# Altium PCB MB1936.PcbDoc (part 7 of 13)
Units mm, origin at the board's own origin, x right, y up, seen from the top; angles counter-clockwise.
Board outline 172 x 137 mm, 6 copper layers (Top Layer, Signal Layer 1, Signal Layer 2, Signal Layer 3, Signal Layer 4, Bottom Layer), stack 1.549 mm thick; 859 components, 672 nets, 3477 pads, 2222 vias.
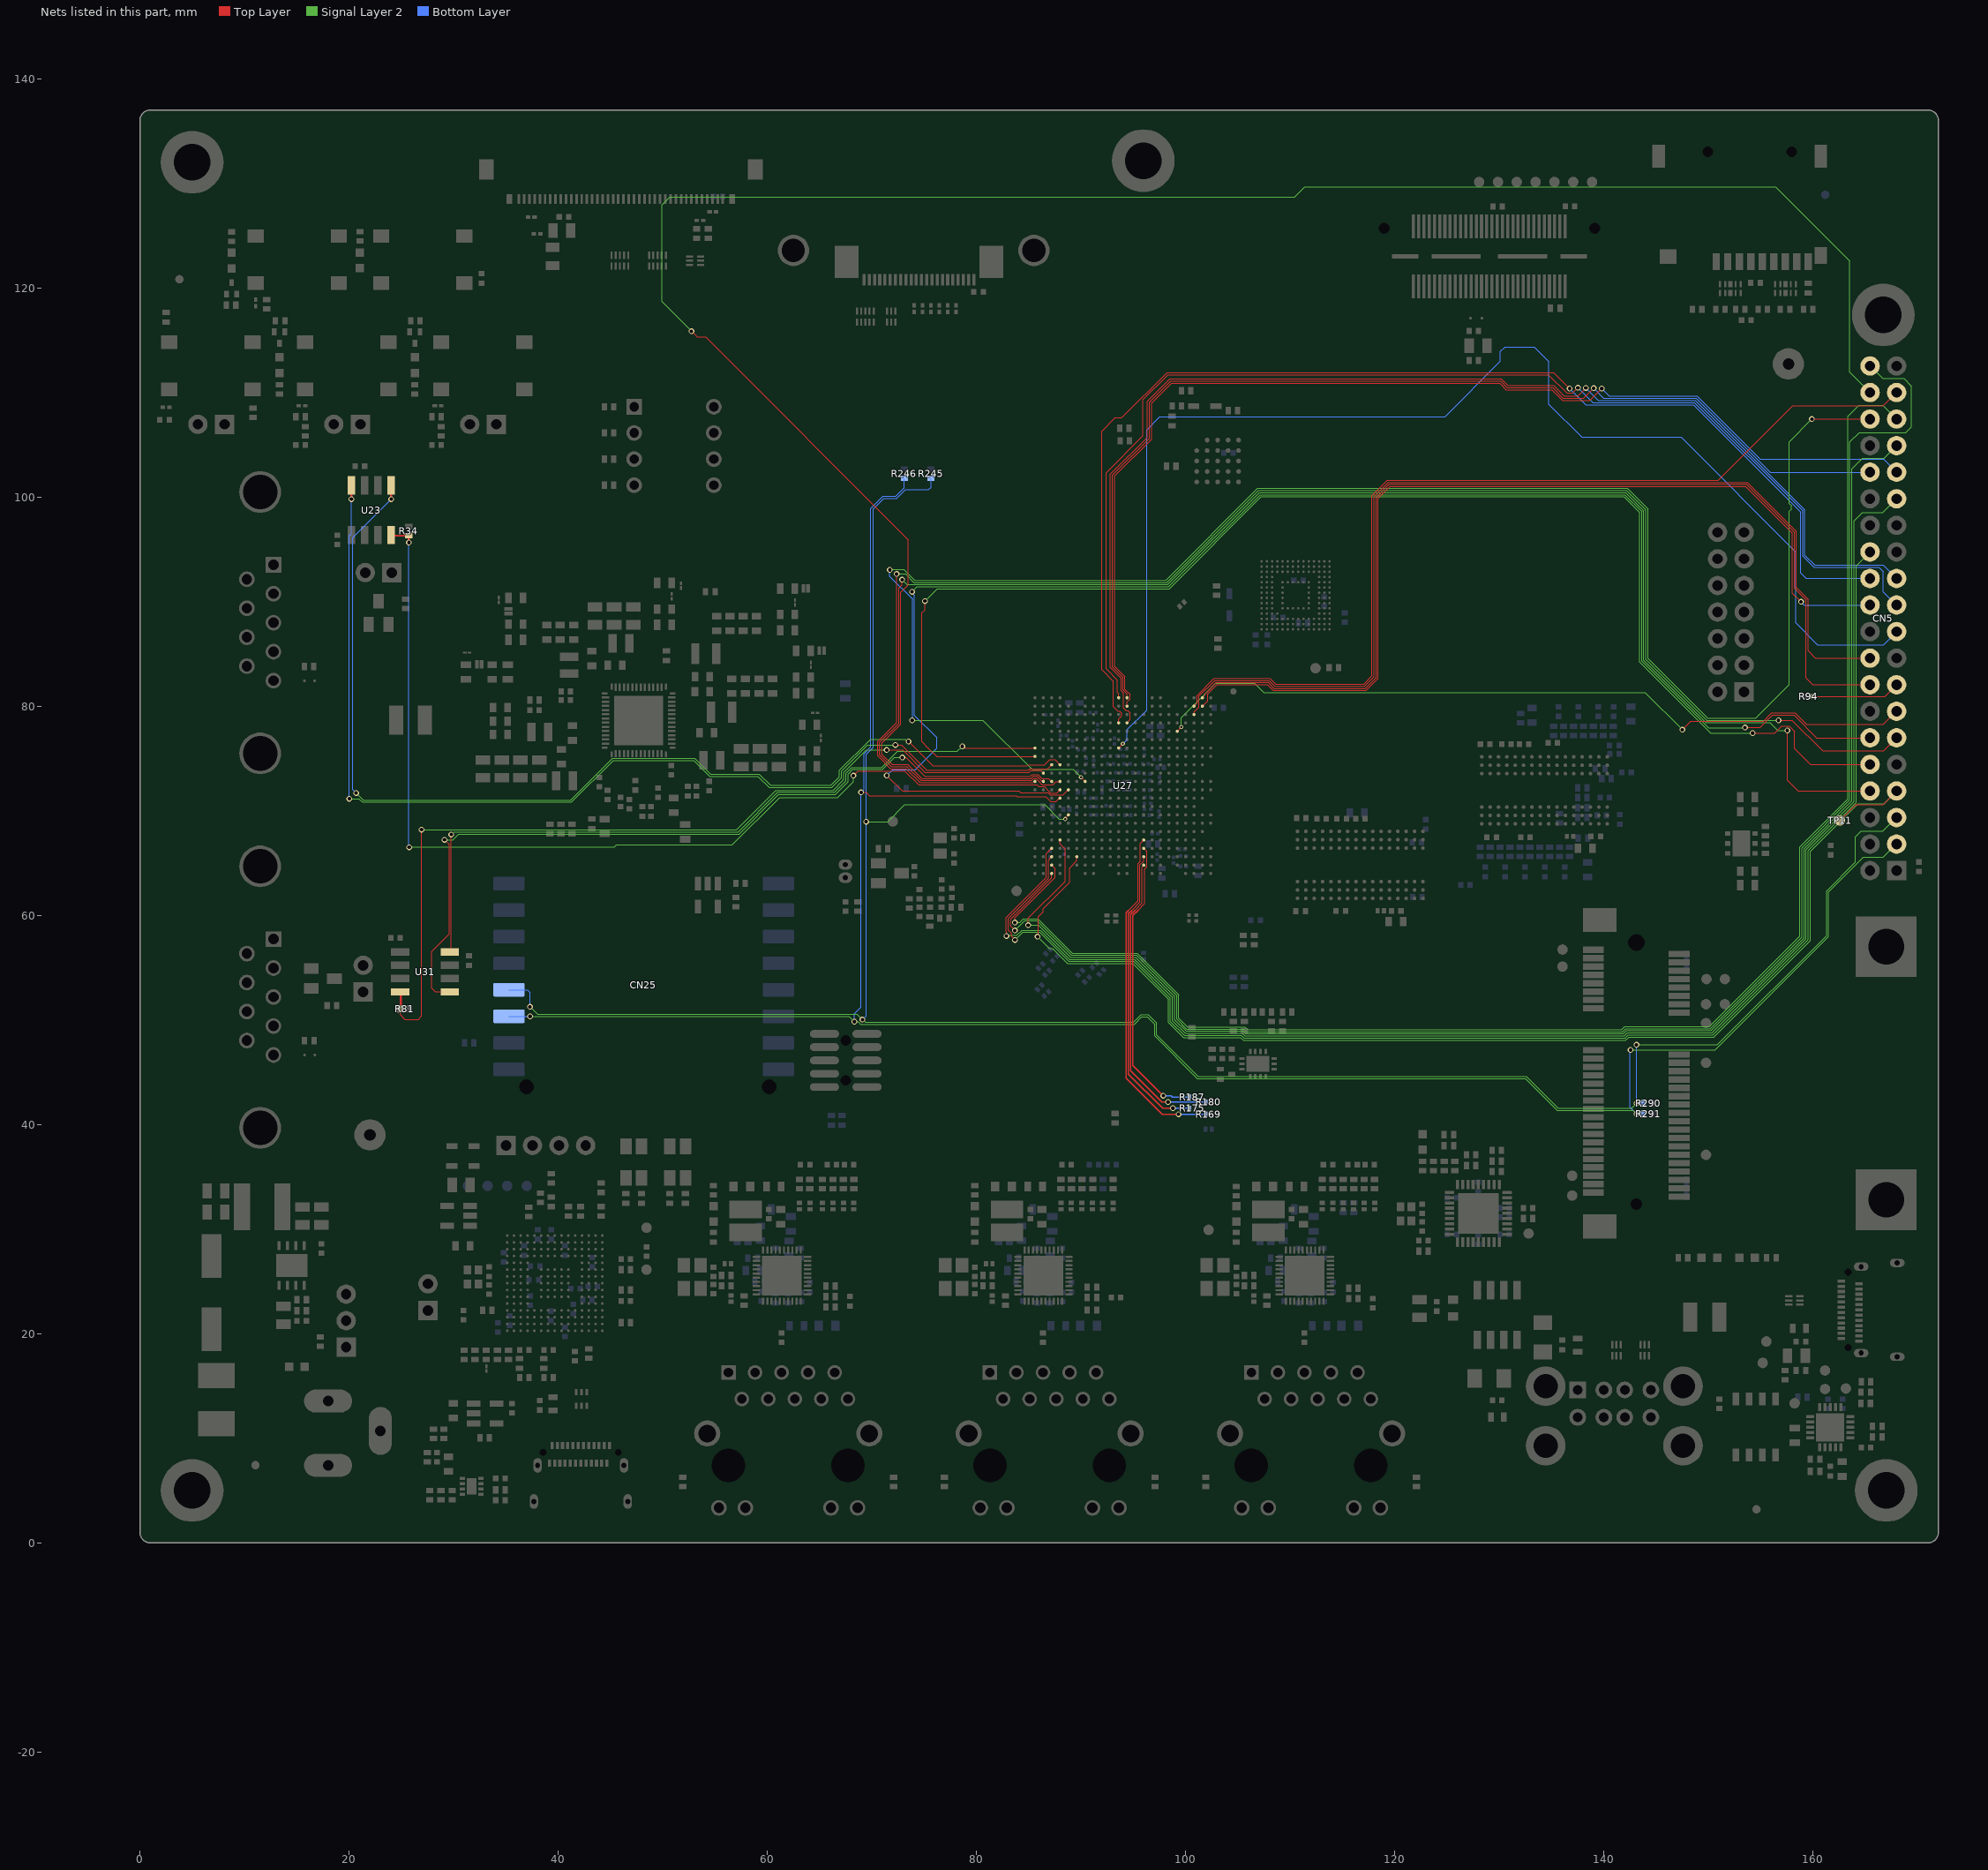
[diagram p11: the nets of this part, all layers, seen from the top]

## Via types
v1: diameter 0.55, hole 0.35, Top Layer to Bottom Layer, 1661 vias
v2: diameter 0.4, hole 0.2, Top Layer to Bottom Layer, tented both sides, 253 vias
v3: diameter 0.5, hole 0.2, Top Layer to Bottom Layer, 157 vias
v4: diameter 0.5, hole 0.25, Top Layer to Bottom Layer, 145 vias
v5: diameter 0.4, hole 0.2, Top Layer to Bottom Layer, 6 vias

## Nets (pads, with @x,y where several pads share a name; then routed paths per layer and width w, separated by ;. In a path a pad name is that pad's centre, name@x,y a point inside that pad or via, vN(x,y) a via of type N, cw(c..) or ccw(c..) an arc to the next point about the centre after c; other vN are vias at no path point) (continued)
ETH3.TXD0: R169.1 U27.V14 | length 32.4
  Top Layer w0.09: 94.547,60.475 95.455,61.383 95.455,64.913 95.675,65.133 95.675,66.875 U27.V14@96,67.2
  Top Layer w0.11: 94.547,60.475 94.335,60.263 94.335,44.44 97.789,40.986 v1(99.321,40.986)
  Bottom Layer w0.11: v1(99.321,40.986) 99.331,40.975 R169.1@101.9,40.975
ETH3.TXD1: R175.1 U27.Y14 | length 28.6
  Top Layer w0.09: 94.844,60.475 95.635,61.266 95.635,64.838 96,65.203 U27.Y14@96,65.6
  Top Layer w0.11: 94.844,60.475 94.545,60.176 94.545,44.805 97.797,41.553 v1(98.792,41.553)
  Bottom Layer w0.11: v1(98.792,41.553) 98.794,41.55 R175.1@100.35,41.55
ETH3.TXD2: R180.1 U27.AA14 | length 28.6
  Top Layer w0.09: 95.141,60.475 95.833,61.167 95.833,64.576 96,64.743 U27.AA14@96,64.8
  Top Layer w0.11: 95.141,60.475 94.755,60.089 94.755,45.145 97.753,42.147 v1(98.322,42.147)
  Bottom Layer w0.11: v1(98.322,42.147) 98.325,42.15 R180.1@101.9,42.15
ETH3.TXD3: R187.1 U27.W14 | length 28.1
  Top Layer w0.09: 95.438,60.475 96.081,61.118 96.081,64.406 96.295,64.62 96.295,66.105 U27.W14@96,66.4
  Top Layer w0.11: 95.438,60.475 94.965,60.002 94.965,45.66 v1(97.875,42.75)
  Bottom Layer w0.11: v1(97.875,42.75) 98.6,42.75 98.725,42.625 R187.1@100.35,42.625
EXP_GPIO2: CN5.3 CN25.11 R246.1 R291.2 U27.N4 | length 230.2
  Top Layer w0.09: 81.172,71.44 83.822,71.44 83.907,71.355 85.276,71.355 85.425,71.355 86.626,71.355 87.106,70.875 87.625,70.875 87.95,71.2 U27.N4@88,71.2
  Top Layer w0.1: v1(68.975,71.75) 69.465,71.75 69.775,71.44 81.172,71.44
  Signal Layer 2 w0.1: v1(37.31,50.335) 67.815,50.335 v1(68.325,49.825) ; v1@68.378,49.878 68.423,49.833 68.691,49.833 68.936,49.588 95.108,49.588 95.795,50.275 96.351,50.275 97.044,49.582 97.044,48.481 101.125,44.4 132.5,44.4 135.55,41.35 142.775,41.35 v1(143.125,41) ; v1(142.55,47.125) 150.65,47.125 161.5,57.975 161.5,62.225 164.825,65.55 166.735,65.55 CN5.3@167.995,66.81
  Bottom Layer w0.1: CN25.11@35.295,50.34 v1@37.305,50.34 ; v1(68.325,49.825) 68.325,50.575 68.975,51.225 v1(68.975,71.75) 69.25,72.025 69.25,75.458 69.9,76.108 69.9,98.908 71.057,100.065 72.29,100.065 73.109,100.884 R246.1@73.109,101.775 ; v1(142.55,47.125) 142.5,47.075 142.5,41.625 v1(143.125,41) R291.2@143.8,41
EXP_GPIO3: CN5.5 CN25.12 R245.1 R290.2 U27.R5 | length 236.1
  Top Layer w0.09: v2(88.496,69.205) 88.496,69.25 88.8,69.555 U27.R5@88.8,69.6
  Signal Layer 2 w0.1: v1(37.3,51.25) 38.015,50.535 68.59,50.535 v1(69.1,50.025) ; v1@69.145,50.025 69.382,49.788 95.026,49.788 95.752,50.514 96.421,50.514 97.244,49.692 97.244,48.564 101.208,44.6 132.583,44.6 135.608,41.575 142.675,41.575 v1(143.125,42.025) ; v1(69.45,68.95) 71.525,68.95 73.15,70.575 86.55,70.575 87.92,69.205 v2(88.496,69.205) ; v1(143.125,47.625) 150.867,47.625 161.3,58.058 161.3,62.308 164.075,65.083 164.075,67.5 164.625,68.05 166.695,68.05 CN5.5@167.995,69.35
  Bottom Layer w0.1: CN25.12@35.295,52.88 37.045,52.88 37.3,52.625 v1(37.3,51.25) ; v1(69.1,50.025) 69.45,50.375 v1(69.45,68.95) 69.45,75.375 70.125,76.05 70.125,83.151 70.132,83.158 70.132,98.857 71.14,99.865 72.373,99.865 73.208,100.7 75.428,100.7 75.649,100.921 R245.1@75.649,101.775 ; v1(143.125,47.625) v1(143.125,42.025) R290.2@143.8,42.025
EXP_GPIO4: CN5.7 TP11.1 U27.Y6 | length 118.2
  Top Layer w0.1: v1(85.85,57.95) 85.9,58 85.9,59.85 86.39,60.34 86.39,60.627 88.912,63.149 88.912,64.522 89.6,65.21 U27.Y6@89.6,65.6 ; TP11.1@162.575,69.075 164.1,70.6 166.705,70.6 CN5.7@167.995,71.89
  Signal Layer 2 w0.1: v1(85.85,57.95) 86.971,56.829 87.278,56.829 88.72,55.387 94.95,55.387 98.356,51.981 98.356,49.755 99.786,48.325 105.262,48.325 105.537,48.05 142.092,48.05 142.405,48.362 150.513,48.362 159.75,57.6 159.75,66.125 164.303,70.678 166.783,70.678 CN5.7@167.995,71.89
EXP_GPIO5: CN5.29 U27.W3 | length 143
  Top Layer w0.1: v1(82.875,58.031) 82.875,58.462 82.85,58.487 82.85,59.788 86.69,63.628 86.69,65.89 U27.W3@87.2,66.4
  Signal Layer 2 w0.1: v1(82.875,58.031) 82.924,58.08 83.845,58.08 84.34,58.575 86.127,58.575 88.915,55.787 95.116,55.787 98.756,52.147 98.756,49.921 99.951,48.725 105.427,48.725 105.677,48.475 141.951,48.475 142.239,48.762 150.347,48.762 159.35,57.766 159.35,66.291 163.925,70.866 163.925,97.725 164.725,98.525 166.69,98.525 CN5.29@167.995,99.83
EXP_GPIO6: CN5.31 U27.B12 | length 107.7
  Top Layer w0.09: 93.22,84.475 93.21,84.465 93.21,83.797 94.205,82.802 94.205,81.611 94.685,81.131 94.685,80.682 94.4,80.397 U27.B12@94.4,80
  Top Layer w0.1: 93.22,84.475 93.22,102.014 96.745,105.539 96.745,108.961 98.659,110.875 130.043,110.875 130.658,110.26 135.012,110.26 136.027,109.245 138.67,109.245 v1(139.8,110.375)
  Bottom Layer w0.1: v1(139.8,110.375) 140.52,109.655 148.905,109.655 154.935,103.625 166.74,103.625 CN5.31@167.995,102.37
EXP_GPIO7: CN5.26 U27.Y3 | length 135
  Top Layer w0.1: v1(83.687,57.639) 83.325,58.001 83.325,58.295 83.05,58.57 83.05,59.705 86.88,63.535 86.88,65.28 U27.Y3@87.2,65.6
  Signal Layer 2 w0.1: v1(83.687,57.639) 84.422,58.375 86.044,58.375 88.832,55.587 95.033,55.587 98.556,52.064 98.556,49.838 99.869,48.525 105.344,48.525 105.594,48.275 142.034,48.275 142.322,48.562 150.43,48.562 159.55,57.683 159.55,66.208 164.125,70.783 164.125,93.42 CN5.26@165.455,94.75
EXP_GPIO8: CN5.24 U27.D11 | length 116.3
  Top Layer w0.09: 91.98,84.475 91.98,83.479 93.11,82.349 93.11,79.945 93.505,79.55 93.688,79.55 93.91,79.328 93.91,79.06 93.6,78.75 U27.D11@93.6,78.4
  Top Layer w0.1: 91.98,84.475 91.98,106.297 93.263,107.58 93.907,107.58 98.232,111.905 135.195,111.905 v1(136.725,110.375)
  Bottom Layer w0.1: v1(136.725,110.375) 138.275,108.825 148.575,108.825 158.825,98.575 158.825,92.725 159.34,92.21 CN5.24@165.455,92.21
EXP_GPIO9: CN5.21 U27.A11 | length 116.7
  Top Layer w0.09: 92.4,84.475 92.4,83.568 93.485,82.483 93.485,81.313 93.6,81.198 U27.A11@93.6,80.8
  Top Layer w0.1: 92.4,84.475 92.4,102.325 95.925,105.85 95.925,109.301 98.319,111.695 134.7,111.695 136.45,109.945 137.02,109.945 v1(137.525,110.45)
  Bottom Layer w0.1: v1(137.525,110.45) 138.94,109.035 148.662,109.035 159.025,98.672 159.025,94.35 160.075,93.3 166.3,93.3 166.723,92.877 166.723,90.942 CN5.21@167.995,89.67
EXP_GPIO10: CN5.19 U27.G11 | length 125.8
  Top Layer w0.09: U27.G11@93.6,76 v2@94,76.4
  Bottom Layer w0.1: v2(94,76.4) 94.4,76.8 94.4,77.75 96.286,79.635 96.286,106.426 97.529,107.67 124.804,107.67 130.115,112.98 130.115,113.924 130.541,114.35 133.35,114.35 134.75,112.95 134.75,108.867 137.892,105.725 147.375,105.725 158.363,94.737 158.363,87.962 160.45,85.875 166.74,85.875 CN5.19@167.995,87.13
EXP_GPIO11: CN5.23 U27.D12 | length 116.8
  Top Layer w0.09: 92.81,84.475 92.8,84.465 92.8,83.698 93.845,82.653 93.845,81.462 94.065,81.242 94.065,79.84 94.33,79.575 94.485,79.575 94.71,79.35 94.71,78.71 U27.D12@94.4,78.4
  Top Layer w0.1: 92.81,84.475 92.81,102.169 96.335,105.694 96.335,109.131 98.489,111.285 130.199,111.285 130.824,110.66 135.192,110.66 136.197,109.655 137.505,109.655 v1(138.275,110.425)
  Bottom Layer w0.1: v1(138.275,110.425) 139.455,109.245 148.749,109.245 159.225,98.769 159.225,94.433 160.158,93.5 166.705,93.5 CN5.23@167.995,92.21
EXP_GPIO12: CN5.32 U27.A12 | length 104.4
  Top Layer w0.09: 93.01,84.475 93.005,84.47 93.005,83.747 94.025,82.727 94.025,81.537 94.4,81.162 U27.A12@94.4,80.8
  Top Layer w0.1: 93.01,84.475 93.015,84.48 93.015,84.49 93.015,102.091 96.54,105.616 96.54,109.046 98.579,111.085 130.116,111.085 130.741,110.46 135.095,110.46 136.105,109.45 138.075,109.45 138.75,110.125 v1(139.025,110.4)
  Bottom Layer w0.1: v1(139.025,110.4) 139.97,109.455 148.822,109.455 155.907,102.37 CN5.32@165.455,102.37
EXP_GPIO13: CN5.33 U27.V4 | length 145.4
  Top Layer w0.1: v1(84.95,59.05) 84.95,59.725 88.49,63.265 88.49,66.32 88,66.81 U27.V4@88,67.2
  Signal Layer 2 w0.1: v1(84.95,59.05) 85.935,59.05 88.998,55.987 95.199,55.987 98.956,52.23 98.956,50.003 100.034,48.925 105.51,48.925 105.76,48.675 141.869,48.675 142.156,48.962 150.264,48.962 159.15,57.849 159.15,66.374 163.725,70.949 163.725,102.7 164.725,103.7 166.785,103.7 CN5.33@167.995,104.91
EXP_GPIO14: CN5.8 U27.L4 | length 155.8
  Top Layer w0.09: 85.748,73.055 85.885,72.918 85.885,72.898 86.278,72.505 87.308,72.505 87.603,72.8 U27.L4@88,72.8
  Top Layer w0.1: v1(72.894,92.094) 72.894,91.611 72.575,91.292 72.575,78.358 70.75,76.533 70.75,75.333 71.877,74.206 73.361,74.206 74.682,72.885 85.268,72.885 85.473,73.09 85.713,73.09 85.748,73.055 ; v1(157.55,77.675) 157.55,72.925 158.585,71.89 CN5.8@165.455,71.89
  Signal Layer 2 w0.1: v1(72.894,92.094) 73.363,91.625 98.266,91.625 107.066,100.425 142.098,100.425 143.825,98.698 143.825,84.384 149.769,78.44 155.86,78.44 156.625,77.675 v1(157.55,77.675)
EXP_GPIO15: CN5.10 U27.H1 | length 140
  Top Layer w0.1: v1(75.075,90.05) 75.075,89.2 74.8,88.925 74.8,76.599 75.35,76.049 76.199,75.2 84.614,75.2 U27.H1@85.6,75.2 ; v1(154.225,77.425) 156.325,77.425 157,78.1 157.726,78.1 158.25,77.576 158.25,75.925 159.745,74.43 CN5.10@165.455,74.43
  Signal Layer 2 w0.1: v1(75.075,90.05) 76.25,91.225 98.431,91.225 107.231,100.025 141.91,100.025 143.425,98.51 143.425,84.218 150.218,77.425 v1(154.225,77.425)
EXP_GPIO16: CN5.36 U27.L7 | length 175.2
  Top Layer w0.1: v2(90,73.2) U27.L7@90.4,72.8 ; v1(159.9,107.45) CN5.36@165.455,107.45
  Signal Layer 2 w0.1: v1(71.721,93.031) 71.752,93.062 73.063,93.062 74.1,92.025 98.1,92.025 106.9,100.825 142.264,100.825 144.225,98.864 144.225,84.55 149.935,78.84 154.525,78.84 157.732,82.047 157.732,98.631 157.925,98.824 157.925,99.176 157.732,99.369 157.732,105.282 v1(159.9,107.45) ; v1(73.85,78.65) 80.614,78.65 85.324,73.94 89.259,73.94 v2(90,73.2)
  Bottom Layer w0.1: v1(71.721,93.031) 71.721,92.413 73.875,90.259 73.875,78.675 v1(73.85,78.65)
EXP_GPIO17: CN5.11 U27.L1 | length 153.1
  Top Layer w0.1: v1(72.369,92.637) 72.375,92.631 72.375,78.441 70.55,76.616 70.55,75.25 71.794,74.006 73.278,74.006 74.599,72.685 85.431,72.685 85.546,72.8 U27.L1@85.6,72.8 ; v1(156.7,78.65) 158,78.65 160.925,75.725 166.75,75.725 CN5.11@167.995,76.97
  Signal Layer 2 w0.1: v1(72.369,92.637) 73.205,92.637 74.017,91.825 98.183,91.825 106.983,100.625 142.181,100.625 144.025,98.781 144.025,84.467 149.852,78.64 156.69,78.64 v1(156.7,78.65)
EXP_GPIO18: CN5.12 U27.M5 | length 154.6
  Top Layer w0.09: 81.172,71.875 84.075,71.875 84.235,71.715 86.827,71.715 87.047,71.495 88.295,71.495 U27.M5@88.8,72
  Top Layer w0.1: v1(71.421,73.375) 72.921,71.875 81.172,71.875 ; v1(153.5,77.95) 154.925,77.95 156.125,79.15 158.175,79.15 160.355,76.97 CN5.12@165.455,76.97
  Signal Layer 2 w0.1: v1(73.839,90.938) 74.326,91.425 98.349,91.425 107.149,100.225 141.993,100.225 143.625,98.593 143.625,84.301 150.001,77.925 153.475,77.925 v1(153.5,77.95)
  Bottom Layer w0.1: v1(71.421,73.375) 71.983,73.937 74.146,73.937 76.2,75.991 76.2,77 74.075,79.125 74.075,90.581 73.839,90.816 v1(73.839,90.938)
EXP_GPIO19: CN5.35 U27.AA3 | length 149.1
  Top Layer w0.1: v1(83.675,59.3) 83.675,59.765 87.52,63.61 87.52,64.48 U27.AA3@87.2,64.8
  Signal Layer 2 w0.1: v1(83.675,59.3) 84.129,59.3 84.504,59.675 85.876,59.675 89.164,56.387 95.365,56.387 99.356,52.396 99.356,50.169 100.2,49.325 105.676,49.325 105.926,49.075 141.703,49.075 141.99,49.362 150.098,49.362 158.75,58.014 158.75,66.539 163.325,71.114 163.325,107.725 164.378,108.778 166.667,108.778 CN5.35@167.995,107.45
EXP_GPIO20: CN5.38 U27.L2 | length 211.1
  Top Layer w0.1: v1(52.75,115.85) 53.3,115.3 54.092,115.3 73.478,95.914 73.478,91.601 72.775,90.897 72.775,78.275 70.95,76.45 70.95,75.416 71.96,74.406 73.444,74.406 74.765,73.085 85.199,73.085 85.394,73.28 85.792,73.28 86.162,72.91 86.236,72.91 86.346,72.8 U27.L2@86.4,72.8
  Signal Layer 2 w0.1: v1(52.75,115.85) 49.925,118.675 49.925,120.624 49.925,120.976 49.925,127.925 50.7,128.7 110.45,128.7 111.394,129.644 156.431,129.644 163.513,122.562 163.513,111.932 CN5.38@165.455,109.99
EXP_GPIO21: CN5.40 U27.AB3 | length 156.8
  Top Layer w0.1: v1(83.676,58.548) 83.25,58.974 83.25,59.623 87.2,63.573 U27.AB3@87.2,64
  Signal Layer 2 w0.1: v1(83.676,58.548) 84.602,59.475 85.793,59.475 89.081,56.187 95.282,56.187 99.156,52.313 99.156,50.086 100.117,49.125 105.593,49.125 105.843,48.875 141.786,48.875 142.073,49.162 150.181,49.162 158.95,57.931 158.95,66.456 163.525,71.031 163.525,105.259 164.429,106.162 168.887,106.162 169.425,106.7 169.425,110.6 168.7,111.325 166.66,111.325 CN5.40@165.455,112.53
EXP_GPIO22: CN5.15 R94.2 | length 8.6
  Top Layer w0.1: R94.2@159.85,80.9 R94.2@159.875,80.925 166.87,80.925 CN5.15@167.995,82.05
EXP_GPIO23: CN5.16 U27.A21 | length 98.4
  Top Layer w0.1: U27.A21@101.6,80.8 101.92,81.12 101.92,81.239 102.934,82.253 107.913,82.253 108.466,81.7 117.203,81.7 118.225,82.722 118.225,99.966 119.459,101.2 153.654,101.2 158.225,96.629 158.225,91.242 159.325,90.142 159.325,82.675 159.95,82.05 CN5.16@165.455,82.05
EXP_GPIO24: CN5.18 U27.C20 | length 98.1
  Top Layer w0.1: U27.C20@100.8,79.2 100.8,79.425 101.29,79.915 101.29,80.945 102.798,82.453 107.996,82.453 108.549,81.9 117.12,81.9 118.025,82.805 118.025,100.049 119.376,101.4 153.737,101.4 158.425,96.712 158.425,91.325 159.525,90.225 159.525,85.3 160.235,84.59 CN5.18@165.455,84.59
EXP_GPIO25: CN5.22 U27.B21 | length 91.6
  Top Layer w0.1: U27.B21@101.6,80 102.11,80.51 102.11,81.16 103.003,82.053 107.83,82.053 108.383,81.5 117.286,81.5 118.425,82.639 118.425,99.883 119.542,101 153.571,101 158.025,96.546 158.025,90.8 v1(158.85,89.975)
  Bottom Layer w0.1: v1(158.85,89.975) 159.155,89.67 CN5.22@165.455,89.67
EXP_GPIO26: CN5.37 U27.B20 | length 90.6
  Top Layer w0.1: U27.B20@100.8,80 101.1,80.3 101.1,81.023 102.73,82.653 108.078,82.653 108.631,82.1 117.037,82.1 117.825,82.888 117.825,100.131 119.294,101.6 150.925,101.6 158.05,108.725 166.73,108.725 CN5.37@167.995,109.99
EXP_GPIO27: CN5.13 U27.E18 | length 74.7
  Top Layer w0.09: U27.E18@99.2,77.6 v2@99.6,78
  Top Layer w0.1: v1(147.5,77.75) 148.325,78.575 155.267,78.575 156.042,79.35 158.258,79.35 159.358,78.25 166.735,78.25 CN5.13@167.995,79.51
  Signal Layer 2 w0.1: v2(99.6,78) 99.6,78.9 102.9,82.2 106.575,82.2 107.475,81.3 143.95,81.3 v1(147.5,77.75)
FDCAN1.RX: U23.4 U27.J3 | length 103.4
  Top Layer w0.09: 86.955,74.155 U27.J3@87.2,74.4
  Top Layer w0.1: v1(72.25,76.3) 72.825,76.3 75.24,73.885 84.953,73.885 85.088,74.02 86.82,74.02 86.955,74.155
  Top Layer w0.2: v1(20.224,99.796) U23.4@20.224,101.111 U23.4@20.224,101.121
  Signal Layer 2 w0.1: v1(20.025,71.15) 20.942,71.15 21.267,70.825 41.275,70.825 45.275,74.825 52.975,74.825 54.5,73.3 59.1,73.3 60.175,72.225 66.183,72.225 67.1,73.142 67.1,73.8 69.6,76.3 71.475,76.3 v1(72.25,76.3)
  Bottom Layer w0.1: v1(20.025,71.15) 20.025,96.3 20.224,96.499 v1(20.224,99.796)
FDCAN1.STBY: R34.1 U23.8 U27.M4 | length 98.2
  Top Layer w0.09: 81.172,72.485 85.787,72.485 85.977,72.295 86.522,72.295 86.905,71.912 86.905,71.892 87.122,71.675 87.675,71.675 U27.M4@88,72
  Top Layer w0.1: v1(68.225,73.35) 68.681,73.806 73.144,73.806 74.465,72.485 81.172,72.485
  Top Layer w0.2: U23.8@24.034,96.361 24.089,96.306 R34.1@25.721,96.306 ; v1(25.721,95.641) R34.1@25.721,96.306 ; R34.1@25.721,96.316 R34.1@25.721,96.306
  Signal Layer 2 w0.1: v1(25.75,66.5) 25.775,66.525 45.375,66.525 45.6,66.75 56.65,66.75 61.175,71.275 66.725,71.275 68.225,72.775 v1(68.225,73.35)
  Bottom Layer w0.1: v1(25.721,95.641) 25.721,66.529 v1(25.75,66.5)
FDCAN1.TX: U23.1 U27.J4 | length 105.1
  Top Layer w0.09: 81.172,74.285 84.836,74.285 84.936,74.385 86.527,74.385 87.027,74.885 87.515,74.885 U27.J4@88,74.4
  Top Layer w0.1: v1(73.5,76.625) 75.84,74.285 81.172,74.285
  Top Layer w0.2: v1(24.034,99.796) U23.1@24.034,101.111 U23.1@24.034,101.121
  Signal Layer 2 w0.1: v1(20.675,71.7) 21.35,71.025 41.192,71.025 45.192,75.025 53.058,75.025 54.583,73.5 59.233,73.5 60.308,72.425 66.1,72.425 66.9,73.225 66.9,73.883 69.867,76.85 71.425,76.85 73.216,76.85 73.441,76.625 v1(73.5,76.625)
  Bottom Layer w0.1: v1(20.675,71.7) 20.35,72.025 20.35,96.112 v1(24.034,99.796)
FDCAN3.RX: U27.G1 U31.4 | length 71.1
  Top Layer w0.1: U31.4@29.64,56.49 29.782,56.632 29.782,67.718 v1(29.775,67.725) ; v1(78.65,76.15) 78.772,76.15 78.922,76 U27.G1@85.6,76
  Signal Layer 2 w0.1: v1(29.775,67.725) 30.025,67.975 57.225,67.975 61,71.75 66.425,71.75 67.525,72.85 67.525,73.583 68.092,74.15 70.925,74.15 72.45,75.675 78.175,75.675 v1(78.65,76.15)
FDCAN3.STBY: R81.1 U27.K2 U31.8 | length 86.4
  Top Layer w0.09: 81.172,73.685 85.014,73.685 85.164,73.835 86.165,73.835 U27.K2@86.4,73.6
  Top Layer w0.1: R81.1@24.89,51.048 24.89,50.485 25.325,50.05 26.625,50.05 26.938,50.363 v1(26.938,68.187) ; U31.8@24.89,52.68 U31.8@24.945,52.68 ; v1(71.425,75.8) 72.975,75.8 75.09,73.685 81.172,73.685
  Top Layer w0.2: R81.1@24.945,51.103 U31.8@24.945,52.68
  Signal Layer 2 w0.1: v1(26.938,68.187) 26.95,68.175 57.05,68.175 60.825,71.95 66.3,71.95 67.325,72.975 67.325,73.666 69.459,75.8 v1(71.425,75.8)
FDCAN3.TX: U27.L3 U31.1 | length 79.8
  Top Layer w0.09: 85.596,73.47 85.601,73.465 85.877,73.465 86.247,73.095 86.905,73.095 U27.L3@87.2,72.8
  Top Layer w0.1: v1(29.125,67.225) 29.582,66.768 29.582,58.207 27.89,56.515 27.89,53.04 28.25,52.68 U31.1@29.64,52.68 ; v1(72.913,75.089) 72.915,75.087 73.28,75.087 75.081,73.285 85.13,73.285 85.315,73.47 85.596,73.47
  Signal Layer 2 w0.1: v1(29.125,67.225) 29.95,67.225 30.5,67.775 57.308,67.775 61.083,71.55 66.508,71.55 67.725,72.767 67.725,73.5 68.175,73.95 71.008,73.95 72.147,75.089 v1(72.913,75.089)